# Allegro board IMX7D EVK BOARD REV D_160314.brd (continued)
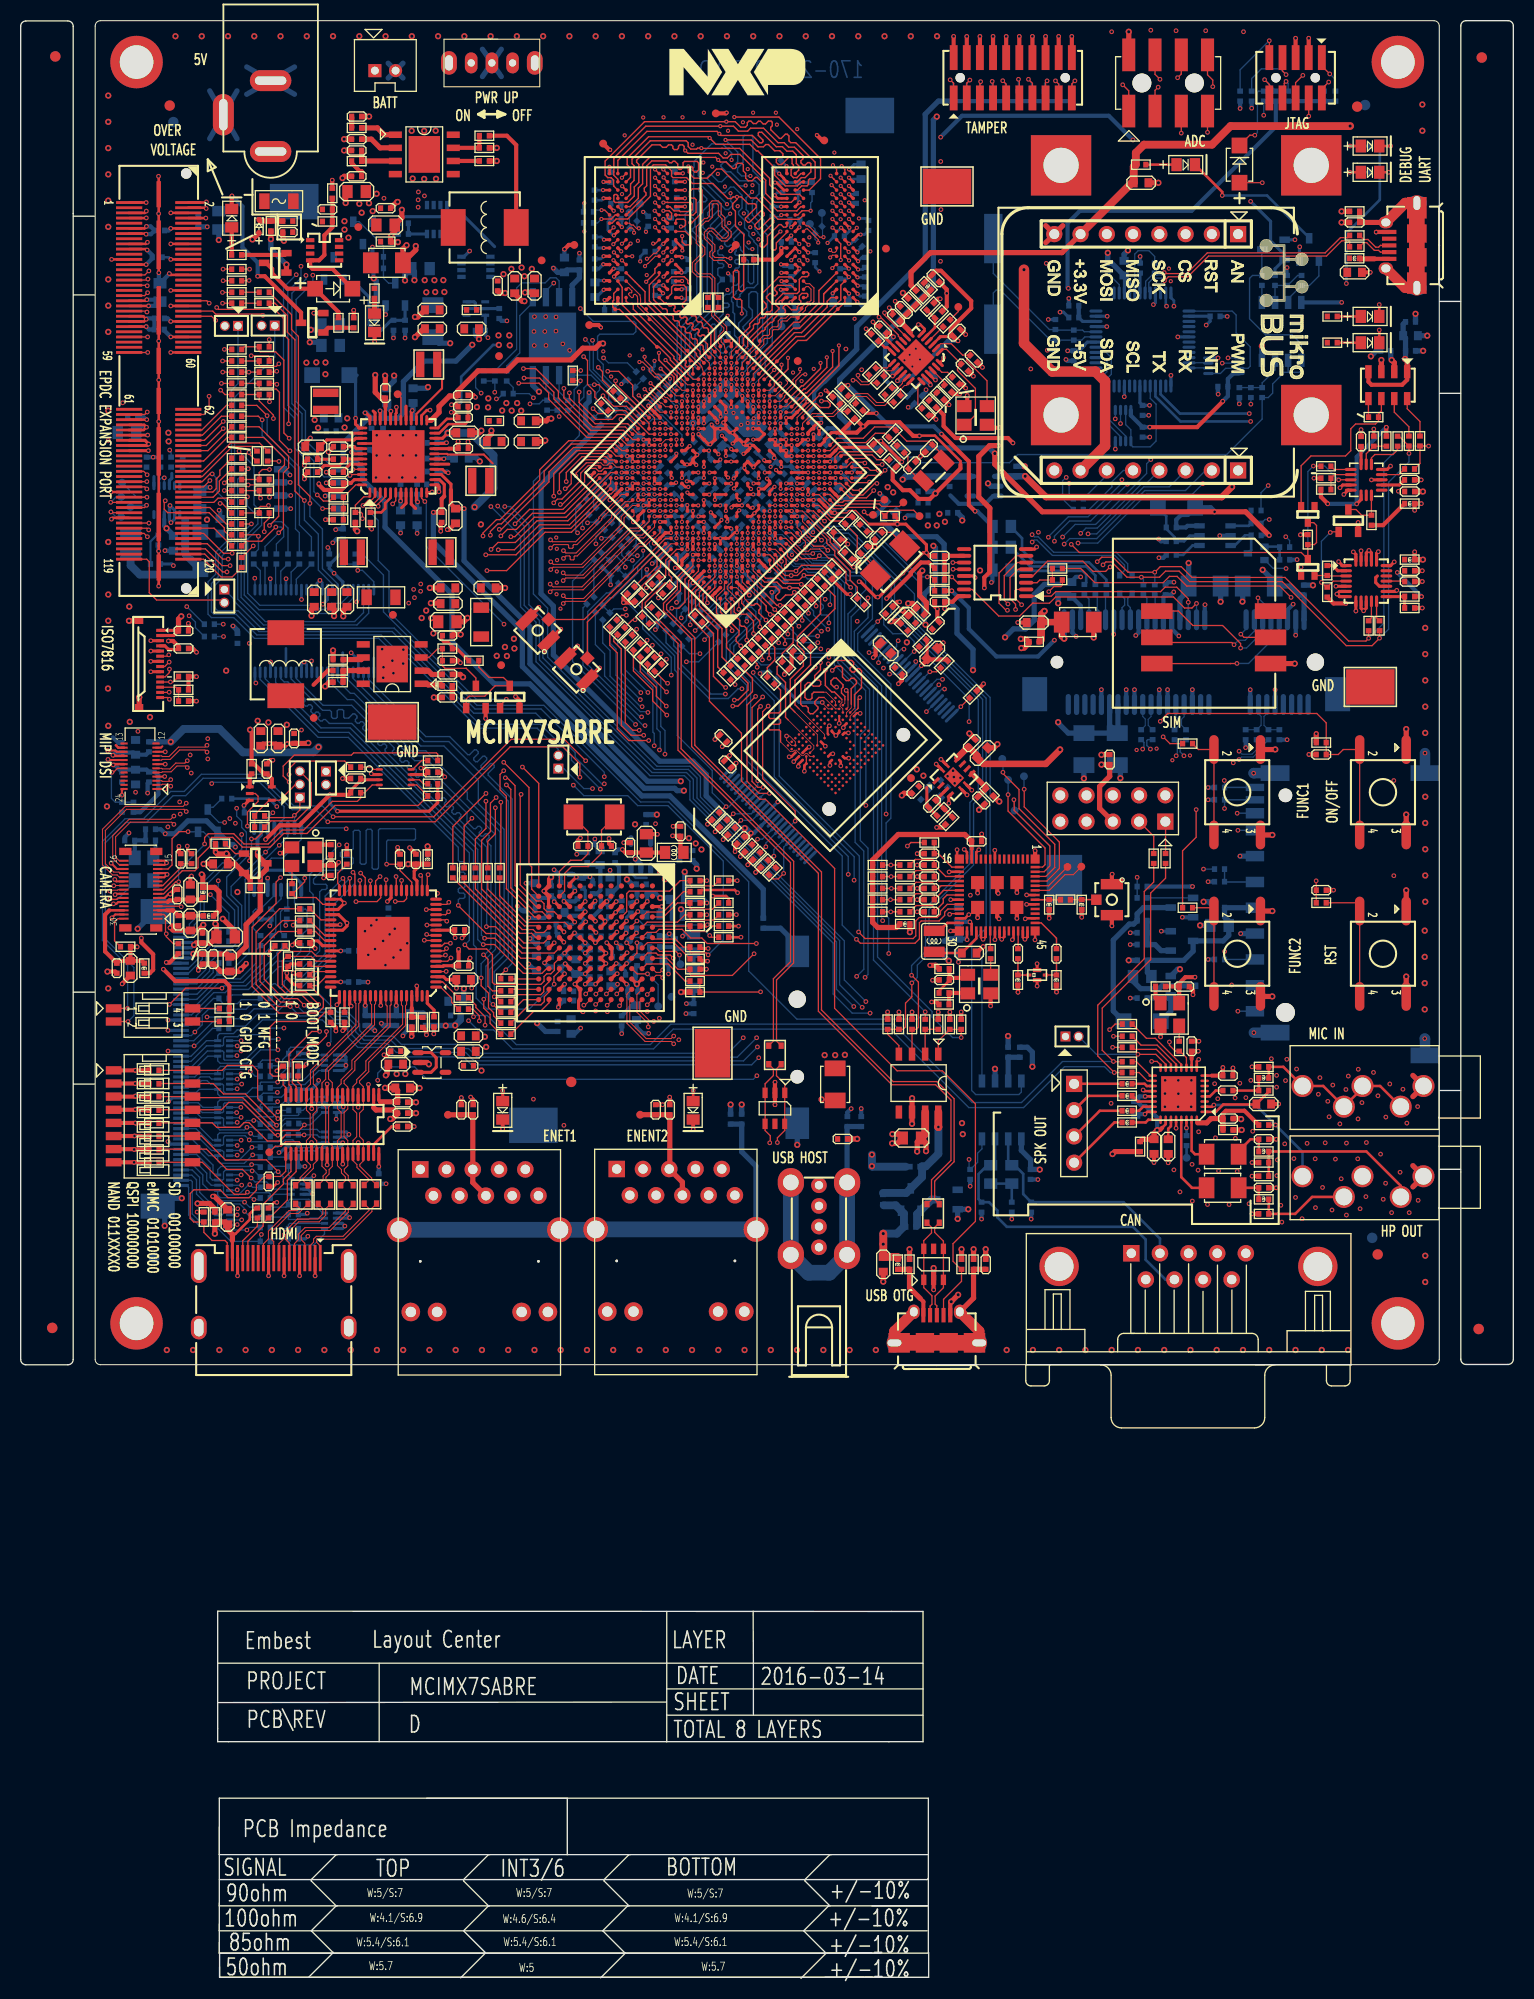
[diagram p0: board, top side]
## Routing (per net, layer and track width the routed paths; a pad name or vN(x,y) marks a point on that pad's centre or on a via; arc(x,y) is an arc through that point) (continued)
GPIO_EPDC_D13: length 45.5
  TOP w0.102: v3(61.85,148.31) 62.38,148.83 U7.L21
  TOP w0.127: v1(23.96,142.46) 23.96,142.44 23.9,142.37 23.19,142.37 23.07,142.25 R429.1 R433.1
  L6_INT_2 w0.102: 57,149.14 59.77,149.14 59.84,149.21 60.41,149.21 61.18,148.44 61.72,148.44 v3(61.85,148.31)
  L6_INT_2 w0.127: 57,149.14 55.29,149.14 53.8,147.65 51.43,147.65 51.22,147.44 39.85,147.44 39.22,146.81 33.11,146.81 32.72,146.41 29.49,146.41 26.99,143.91 25.41,143.91 v1(23.96,142.46)
GPIO_EPDC_D14: length 50.8
  TOP w0.102: v3(63.43,148.84) 63.43,148.84 U7.L20
  TOP w0.127: R435.1 R431.1 23.07,143.31 v1(23.2,143.17)
  L6_INT_2 w0.102: 58.63,151.56 59.32,150.86 61.94,150.86 63.43,149.37 v3(63.43,148.84)
  L6_INT_2 w0.127: v1(23.2,143.17) 23.2,146.53 24.37,147.69 24.37,148.15 25.69,149.47 28.46,149.47 28.65,149.29 32.09,149.29 33.49,150.69 47.08,150.69 47.43,150.34 52.67,150.34 53.45,151.12 56.45,151.12 56.88,151.56 58.63,151.56
GPIO_EPDC_D15: length 44.4
  TOP w0.127: U7.K25 60.22,150.42 58.59,152.06 57.34,152.06 v1(56.32,153.08) ; R434.1 R430.1 23.07,152.58 24.45,151.2 v1(24.45,150.87)
  L6_INT_2 w0.127: v1(56.32,153.08) 56.15,152.9 52.61,152.9 50.89,154.63 49.65,154.63 48.88,153.86 40.35,153.86 39.72,154.5 33.52,154.5 31.81,152.79 26.92,152.79 25.01,150.87 v1(24.45,150.87)
GPIO_EPDC_GDCLK: length 77.1
  TOP w0.127: v1(21.12,147.72) 21.38,147.46 R408.1 ; v1(54.01,153.43) 54.01,152.42 55.64,150.79 57.22,150.79 57.69,151.26 58.41,151.26 59.72,149.96 U7.J25
  L6_INT_2 w0.127: v1(54.01,153.43) 54.01,153.79 51.19,156.61 41.07,156.61 39.87,157.81 32.68,157.81 31.89,157.02 27.57,157.02 25.15,154.6 24.1,154.6 21.38,151.88 21.38,148.66 21.12,148.4 v1(21.12,147.72)
  BOTTOM w0.127: U36.43 31.66,133.67 30.98,133 30.06,133 29.47,132.4 28.98,132.4 28.57,132.81 23.13,132.81 21.96,133.98 21.96,139.21 23.3,140.55 23.3,141.8 22.57,142.54 22.57,146.27 v1(21.12,147.72)
GPIO_EPDC_GDOE: length 77.5
  TOP w0.127: v1(53.07,153.36) 53.07,152.85 55.55,150.37 58.71,150.37 59.72,149.36 U7.J24 ; R409.1 21.88,143.3 v1(21.93,143.3)
  L6_INT_2 w0.127: v1(21.93,143.3) 21.58,143.66 21.58,148.13 21.83,148.38 21.83,151.72 23.67,153.56 24.94,153.56 27.1,155.72 31.13,155.72 32.82,157.41 39.72,157.41 40.92,156.21 51.02,156.21 53.07,154.15 v1(53.07,153.36)
  BOTTOM w0.127: U36.44 32.16,133.52 31.13,132.49 30.19,132.49 29.72,132.01 28.74,132.01 28.38,132.38 23.05,132.38 21.63,133.8 21.63,139.36 22.94,140.68 22.94,141.4 21.93,142.41 v1(21.93,143.3)
GPIO_EPDC_GDRL: length 72.8
  TOP w0.102: U7.K21 62.37,147.85 v3(62.35,147.83)
  TOP w0.127: R411.1 22.31,140.67 v1(22.31,140.68)
  L6_INT_2 w0.102: 57,148.79 59.77,148.79 60.66,147.9 60.9,147.9 61.14,148.13 61.51,148.13 61.81,147.83 v3(62.35,147.83)
  L6_INT_2 w0.127: v1(22.31,140.68) 22.86,140.68 23.38,141.2 23.38,141.38 23.17,141.59 23.17,141.77 23.35,141.95 23.53,141.95 23.74,141.74 23.92,141.74 24.95,142.77 26.38,142.77 28.79,145.18 29.83,145.18 30.11,144.9 30.45,144.9 30.57,145.03 30.57,145.81 30.7,145.94 30.96,145.94 31.08,145.81 31.08,145.03 31.21,144.9 32.01,144.9 33.54,146.44 42.21,146.44 42.49,146.16 42.95,146.16 43.07,146.29 43.07,146.88 43.2,147.01 43.45,147.01 43.58,146.88 43.58,146.29 43.71,146.16 44.73,146.16 45.6,147.03 51.42,147.03 51.69,147.3 54.02,147.3 55.5,148.79 57,148.79
  BOTTOM w0.127: U36.46 33.16,132.1 32.29,131.24 23.66,131.24 21.32,133.57 21.32,139.69 v1(22.31,140.68)
GPIO_EPDC_GDSP: length 77.9
  TOP w0.127: v1(52.54,153.79) 52.54,152.88 55.35,150.06 58.48,150.06 U7.H25 ; v1(22.01,146.02) 21.38,146.02 R410.1
  L6_INT_2 w0.127: v1(22.01,146.02) 22.01,146.81 22.85,147.64 22.85,151.44 23.44,152.04 24.47,152.04 26.52,154.09 30.79,154.09 33.27,156.56 39.46,156.56 40.78,155.23 51.09,155.23 v1(52.54,153.79)
  BOTTOM w0.127: v1(22.01,146.02) 20.99,145 20.99,133.39 23.48,130.9 32.52,130.9 33.66,132.04 U36.47
GPIO_EPDC_PMIC_PG: length 41.2
  TOP w0.102: v3(62.91,148.3) 62.9,148.29 U7.K20
  TOP w0.127: R583.1 24.95,146.76 v1(24.98,146.73)
  L6_INT_2 w0.102: v3(62.91,148.3) 62.38,148.83 61.84,148.83 61.42,149.24 60.93,149.24 60.71,149.47 57.28,149.47
  L6_INT_2 w0.127: v1(24.98,146.73) 25.07,146.82 32.49,146.82 33.42,147.75 51.04,147.75 51.38,148.08 53.64,148.08 55.03,149.47 57.28,149.47
GPIO_EPDC_PWRCTRL0: length 48.7
  TOP w0.127: v1(48.63,155.7) 49.81,155.7 52.01,153.51 52.01,152.88 55.15,149.74 58.29,149.74 59.2,148.83 U7.H24 ; v1(22.08,147.59) 22.08,147.47 22.79,146.76 R582.1
  L6_INT_2 w0.127: v1(22.08,147.59) 22.36,147.87 22.36,151.68 23.86,153.18 25.11,153.18 26.42,154.49 30.57,154.49 33.08,157 39.6,157 40.89,155.7 v1(48.63,155.7)
GPIO_EPDC_SDCE0: length 57.8
  TOP w0.127: v1(48.69,154.79) 50.2,154.79 51.57,153.41 51.57,152.77 54.96,149.39 58.1,149.39 U7.G25 ; R404.1 22.98,151.1 23.34,150.74 v1(23.35,150.74)
  L6_INT_2 w0.127: v1(48.69,154.79) 40.62,154.79 39.33,156.07 33.46,156.07 31.03,153.64 26.63,153.64 24.67,151.68 23.69,151.68 23.35,151.35 v1(23.35,150.74)
  BOTTOM w0.127: v1(23.35,150.74) 23.35,149.22 26.58,145.99 26.58,140.2 26.95,139.83 R345.1
GPIO_EPDC_SDCE1: length 58.6
  TOP w0.127: U7.G24 58.66,148.3 57.91,149.05 54.76,149.05 51.07,152.75 51.07,153.36 50.13,154.29 v1(48.17,154.29) ; v1(23.84,151.15) 22.84,152.15 R405.1
  L6_INT_2 w0.127: v1(48.17,154.29) 40.56,154.29 39.21,155.65 33.85,155.65 31.45,153.24 26.79,153.24 24.88,151.33 24.01,151.33 v1(23.84,151.15)
  BOTTOM w0.127: v1(23.84,151.15) 23.84,149.29 26.96,146.17 26.96,140.58 28.12,139.42 R346.1
GPIO_EPDC_SDCE2: length 74.7
  TOP w0.102: U7.H23 v3(59.72,148.3)
  TOP w0.127: R407.1 24.59,162.03 25.79,160.83 25.79,159.23 26.53,158.49 26.53,143.86 v1(27.44,142.94)
  L6_INT_2 w0.102: 57.54,148.45 59.57,148.45 v3(59.72,148.3)
  L6_INT_2 w0.127: 57.54,148.45 55.69,148.45 54.17,146.93 51.92,146.93 50.69,145.69 50.4,145.69 50.27,145.81 50.27,146.45 50.14,146.58 49.89,146.58 49.76,146.45 49.76,145.81 49.64,145.69 49.38,145.69 49.25,145.81 49.25,146.45 49.13,146.58 48.87,146.58 48.75,146.45 48.75,145.81 48.62,145.69 48.37,145.69 48.24,145.81 48.24,146.45 48.11,146.58 47.86,146.58 47.73,146.45 47.73,145.81 47.6,145.69 47.35,145.69 47.22,145.81 47.22,146.45 47.1,146.58 46.84,146.58 46.71,146.45 46.71,145.81 46.59,145.69 46.33,145.69 46.21,145.81 46.21,146.45 46.08,146.58 45.83,146.58 45.7,146.45 45.7,145.81 45.57,145.69 42.2,145.69 41.84,146.05 33.66,146.05 31.7,144.09 30.96,144.09 30.84,143.96 30.84,143.43 30.71,143.3 30.46,143.3 30.33,143.43 30.33,143.96 30.2,144.09 28.59,144.09 v1(27.44,142.94)
  BOTTOM w0.127: U36.40 30.16,134.84 28.79,136.21 28.79,139.69 27.44,141.04 v1(27.44,142.94)
GPIO_EPDC_SDCE3: length 70.2
  TOP w0.102: U7.H22 v3(60.25,147.77)
  TOP w0.127: R406.1 26.2,160.92 26.2,159.48 26.86,158.82 26.86,144.47 27.98,143.35 v1(27.98,142.67)
  L6_INT_2 w0.102: 59.07,148.14 59.37,148.14 59.62,147.89 60.13,147.89 v3(60.25,147.77)
  L6_INT_2 w0.127: v1(27.98,142.67) 30.78,142.67 33.79,145.67 38.51,145.67 38.64,145.55 38.64,145.18 38.77,145.05 39.02,145.05 39.15,145.18 39.15,145.55 39.28,145.67 39.53,145.67 39.66,145.55 39.66,145.18 39.78,145.05 40.04,145.05 40.16,145.18 40.16,145.55 40.29,145.67 40.49,145.67 41.01,145.15 50.79,145.15 52.15,146.5 54.63,146.5 54.87,146.74 55.05,146.74 55.18,146.6 55.36,146.6 55.54,146.78 55.54,146.96 55.4,147.1 55.4,147.28 55.58,147.46 55.76,147.46 55.9,147.32 56.08,147.32 56.26,147.5 56.26,147.68 56.12,147.82 56.12,148 56.27,148.14 59.07,148.14
  BOTTOM w0.127: v1(27.98,142.67) 27.98,141.4 29.19,140.18 29.19,136.35 30.66,134.88 U36.41
GPIO_EPDC_SDCLK: length 55.3
  TOP w0.102: U7.J21 v3(61.31,147.77)
  TOP w0.127: v1(23,139.49) 22.86,139.63 R400.1
  L6_INT_2 w0.102: v3(61.31,147.77) 61.17,147.63 60.66,147.63 60.44,147.41 60.09,147.41 59.88,147.62 59.57,147.62 59.34,147.38 59.03,147.38 58.75,147.66 57.67,147.66
  L6_INT_2 w0.127: v1(23,139.49) 23,140.13 24.95,142.08 25.21,142.08 25.3,141.99 25.3,140.91 25.43,140.79 25.68,140.79 25.81,140.91 25.81,141.52 25.94,141.65 26.19,141.65 26.32,141.52 26.32,140.91 26.45,140.79 26.7,140.79 26.83,140.91 26.83,142.23 26.95,142.36 27.21,142.36 27.33,142.23 27.33,140.91 27.46,140.79 27.72,140.79 27.84,140.91 27.84,141.95 27.97,142.08 28.22,142.08 28.35,141.95 28.35,140.91 28.48,140.79 28.73,140.79 28.86,140.91 28.86,141.52 28.99,141.65 30.29,141.65 33.32,144.69 50.93,144.69 52.39,146.14 55.48,146.14 57,147.66 57.67,147.66
  BOTTOM w0.127: v1(23,139.49) 23,138.23 R461.1
GPIO_EPDC_SDLE: length 57.3
  TOP w0.102: U7.J20 v3(61.84,147.24)
  TOP w0.127: R401.1 23.06,150.08 25.92,147.21 25.92,146.12 25.41,145.61 25.41,140.28 v1(24.95,139.82)
  L6_INT_2 w0.102: 57.14,146.35 58.3,146.35 58.52,146.56 58.82,146.56 59.03,146.35 59.33,146.35 59.56,146.57 59.83,146.57 60.06,146.35 60.43,146.35 61.32,147.24 v3(61.84,147.24)
  L6_INT_2 w0.127: v1(24.95,139.82) 29.53,139.82 33.04,143.33 50.67,143.33 52.59,145.26 53.17,145.26 53.63,144.8 55.3,144.8 56.85,146.35 57.14,146.35
  BOTTOM w0.127: R460.1 23.63,138.49 v1(24.95,139.82)
GPIO_EPDC_SDOE: length 54.4
  TOP w0.102: U7.H21 60.78,147.24 v3(60.78,147.24)
  TOP w0.127: R403.1 21.82,139.01 23.3,139.01 v1(24.67,140.38)
  L6_INT_2 w0.102: 57.52,147.14 58.22,147.14 58.51,146.85 58.79,146.85 59.06,147.12 59.32,147.12 59.59,146.86 59.86,146.86 60.12,147.11 60.65,147.11 v3(60.78,147.24)
  L6_INT_2 w0.127: v1(24.67,140.38) 29.52,140.38 33.43,144.29 36.16,144.29 36.28,144.17 36.28,143.86 36.41,143.73 36.66,143.73 36.79,143.86 36.79,144.17 36.92,144.29 37.17,144.29 37.3,144.17 37.3,143.86 37.43,143.73 37.68,143.73 37.81,143.86 37.81,144.17 37.93,144.29 42.39,144.29 42.51,144.17 42.51,143.86 42.64,143.73 42.89,143.73 43.02,143.86 43.02,144.17 43.15,144.29 43.4,144.29 43.53,144.17 43.53,143.86 43.66,143.73 43.91,143.73 44.04,143.86 44.04,144.17 44.16,144.29 44.42,144.29 44.54,144.17 44.54,143.86 44.67,143.73 44.93,143.73 45.05,143.86 45.05,144.17 45.18,144.29 45.43,144.29 45.56,144.17 45.56,143.86 45.69,143.73 45.94,143.73 46.07,143.86 46.07,144.17 46.2,144.29 46.45,144.29 46.58,144.17 46.58,143.91 46.7,143.78 46.96,143.78 47.08,143.91 47.08,144.17 47.21,144.29 47.47,144.29 47.59,144.17 47.59,143.94 47.72,143.81 47.97,143.81 48.1,143.94 48.1,144.17 48.23,144.29 48.91,144.29 49.04,144.17 49.04,143.99 49.17,143.86 49.42,143.86 49.55,143.99 49.55,144.17 49.68,144.29 51.13,144.29 52.6,145.77 55.66,145.77 57.04,147.14 57.52,147.14
  BOTTOM w0.127: v1(24.67,140.38) 25.18,140.38 25.44,140.13 25.44,139.44 24.73,138.73 R463.1
GPIO_EPDC_SDSHR: length 60.1
  TOP w0.102: v3(61.31,146.71) 61.31,146.71 U7.H20
  TOP w0.127: v1(24.07,140.53) 24.95,141.42 24.95,145.81 25.51,146.37 25.51,147.03 23.5,149.05 R402.1
  L6_INT_2 w0.102: 57.47,146.03 58.26,146.03 58.5,145.79 58.82,145.79 59.06,146.03 59.34,146.03 59.65,145.72 59.8,145.72 60.12,146.03 60.4,146.03 60.62,145.81 60.96,145.81 61.31,146.17 v3(61.31,146.71)
  L6_INT_2 w0.127: 57.47,146.03 57.18,146.03 53.12,141.98 50.71,141.98 49.77,142.92 39.91,142.92 38.92,141.93 32.93,141.93 30.34,139.33 24.83,139.33 24.07,140.1 v1(24.07,140.53)
  BOTTOM w0.127: v1(24.07,140.53) 24.42,140.89 25.24,140.89 25.85,140.28 R462.1
GPIO_SAI1_RXD: length 76
  TOP w0.102: U7.E12 64.49,140.34 v3(64.49,140.34)
  TOP w0.127: R468.1 58.12,131.84 v1(58.58,131.84)
  L3_INT_1 w0.102: v3(64.49,140.34) 64.49,139.79 63.19,138.49
  L3_INT_1 w0.127: v1(56.45,116.22) 57.05,116.82 57.05,125.3 58.53,126.79 58.53,131.79 v1(58.58,131.84) 59.27,132.53 59.27,136.54 60.59,137.86 62.57,137.86 63.19,138.49
  BOTTOM w0.127: v1(58.58,131.84) 58.12,131.84 R468.1 ; J39.1 20.59,133.44 20.59,133.27 23.25,130.6 36.13,130.6 43.95,122.78 50.33,122.78 56.45,116.66 v1(56.45,116.22)
GPIO_SAI1_TXC: length 105.4
  TOP w0.102: U7.C11 v3(63.96,138.75)
  TOP w0.127: R469.1 59.18,131.41 v1(59.42,131.41)
  L3_INT_1 w0.102: v3(63.96,138.75) 62.79,137.59 60.72,137.59 60.66,137.52
  L3_INT_1 w0.127: v1(56.45,115.54) 57.36,116.45 57.36,125.19 58.89,126.71 58.89,130.88 v1(59.42,131.41) 59.57,131.57 59.57,136.44 60.66,137.52
  BOTTOM w0.127: J38.1 24.57,156.81 20.69,152.93 20.69,138.78 19.49,137.59 19.49,135.45 18.81,134.77 18.81,132.53 19.06,132.28 21.04,132.28 23.05,130.27 35.93,130.27 43.83,122.37 49.82,122.37 53.63,118.56 53.63,118.1 56.2,115.54 v1(56.45,115.54) ; R469.1 59.18,131.41 v1(59.42,131.41)
GPIO_SAI1_TXD: length 105.9
  TOP w0.102: U7.E11 65.02,140.35 v3(65.02,139.81)
  TOP w0.127: R471.1 59.16,130.08 v1(59.57,130.5)
  L3_INT_1 w0.102: 60.95,137.23 62.96,137.23 65.02,139.29 v3(65.02,139.81)
  L3_INT_1 w0.127: v1(56.07,115.03) 56.81,115.03 57.69,115.92 57.69,125.06 59.32,126.69 59.32,130.24 v1(59.57,130.5) 59.93,130.85 59.93,136.32 60.84,137.23 60.95,137.23
  BOTTOM w0.127: v1(56.07,115.03) 53.28,117.82 53.28,118.28 50.25,121.3 44.39,121.3 37.65,128.03 36.77,128.03 34.86,129.94 22.85,129.94 20.84,131.95 18.68,131.95 18.45,132.17 18.45,134.92 19.11,135.58 19.11,137.69 20.38,138.96 20.38,153.61 21.02,154.25 J36.1 ; R475.1 59.57,130.34 v1(59.57,130.5)
GPIO_SAI1_TXFS: length 38.5
  TOP w0.102: v3(64.49,139.28) 64.49,139.28 U7.D11
  L3_INT_1 w0.127: v1(55.31,115.08) 55.94,115.72 55.94,120.24 56.68,120.97 56.68,125.47 58.15,126.94 58.15,132.12 v1(58.48,132.45)
  BOTTOM w0.102: 60.82,138.6 60.82,138.96 61.1,139.24 61.75,139.24 61.95,139.44 63.08,139.44 63.31,139.67 63.59,139.67 63.97,139.28 v3(64.49,139.28)
  BOTTOM w0.127: v1(55.31,115.08) 54.47,115.08 52.54,117.01 J37.1 ; v1(58.48,132.45) 57.36,132.45 R342.1 56.27,132.79 R470.1 56.98,133.54 57.28,133.54 59.67,135.93 59.67,136.57 60.97,137.86 60.97,138.45 60.82,138.6
GPIO_SAI2_RXD: length 14
  TOP w0.102: U7.E9 v3(66.08,138.75)
  TOP w0.127: v1(60.59,129.43) 60.3,129.14 R415.1
  L3_INT_1 w0.102: v3(66.08,138.75) 65.55,138.75 63.96,137.16 63.96,136.43 62.85,135.33
  L3_INT_1 w0.127: 62.85,135.33 60.9,133.37 60.9,129.74 v1(60.59,129.43)
  BOTTOM w0.127: v1(60.59,129.43) 60.3,129.14 R419.1
GPIO_SAI2_TXC: length 13.3
  TOP w0.102: U7.D8 v3(66.08,137.69)
  TOP w0.127: v1(61.94,128.11) 61.61,127.79 R413.1
  L3_INT_1 w0.102: 64.87,135.97 65.95,137.04 65.95,137.56 v3(66.08,137.69)
  L3_INT_1 w0.127: 64.87,135.97 64.2,135.29 64.2,133.07 62.96,131.83 62.96,129.14 v1(61.94,128.11)
  BOTTOM w0.127: v1(61.94,128.11) 61.61,127.79 R413.1
GPIO_SAI2_TXD: length 13.6
  TOP w0.102: U7.E8 v3(66.61,138.22)
  TOP w0.127: R488.1 62,127.11 62.46,127.58 v1(62.46,127.59)
  L3_INT_1 w0.102: 65.52,134.21 65.52,136.14 66.23,136.85 66.23,137.31 66.61,137.69 v3(66.61,138.22)
  L3_INT_1 w0.127: 65.52,134.21 65.52,133.88 63.36,131.72 63.36,128.48 62.47,127.59 v1(62.46,127.59)
GPIO_SAI2_TXFS: length 13
  TOP w0.102: U7.D9 v3(65.55,138.22)
  TOP w0.127: v1(61.1,128.95) 60.63,128.48 R412.1
  L3_INT_1 w0.102: v3(65.55,138.22) 65.55,137.7 64.39,136.54 64.39,136.25 63.33,135.2
  L3_INT_1 w0.127: v1(61.1,128.95) 61.87,129.72 61.87,133.01 62.27,133.41 62.27,134.13 63.33,135.2
  BOTTOM w0.127: R416.1 61.07,128.95 v1(61.1,128.95)
GPIO_SD3_CLK: length 5.6
  TOP w0.102: 69.74,133.5 69.26,133.98 U7.C1
  TOP w0.127: 69.74,133.5 69.74,133.01
  TOP w0.137: 69.74,133.01 71.49,131.26 v1(71.49,130.73) 71.49,130.72 R444.1
  BOTTOM w0.137: v1(71.49,130.73) 71.49,130.72 R456.1
GPIO_SD3_CMD: length 5.8
  TOP w0.102: U7.E1 70.32,135.01 71.76,133.58
  TOP w0.137: R445.1 73.19,132.14 v1(72.94,132.4) 71.76,133.58
  BOTTOM w0.137: R457.1 73.19,132.15 v1(72.94,132.4)
GPIO_SD3_DATA0: length 7.2
  TOP w0.102: U7.B2 68.2,133.45 68.7,132.95
  TOP w0.127: 70.23,129.44 v1(70.23,129.44) ; 68.7,132.95 68.7,131.73
  TOP w0.137: v1(70.23,129.44) 70.23,130.54 69.99,130.78 69.71,130.78 69.56,130.93 69.56,131.36 69.35,131.57 68.87,131.57 68.7,131.73 ; 70.23,129.44 70.29,129.38 70.29,129.37 R436.1
  BOTTOM w0.137: v1(70.23,129.44) 70.23,129.44 70.69,128.97 R448.1
GPIO_SD3_DATA1: length 7.1
  TOP w0.102: U7.A2 67.67,132.16
  TOP w0.137: 67.67,132.16 69.48,130.35 69.48,129.97 69.2,129.69 69.2,129.34 v1(69.65,128.88) 69.65,128.88 69.65,128.71 R437.1
  BOTTOM w0.137: v1(69.65,128.88) 69.65,128.88 69.65,128.71 R449.1
GPIO_SD3_DATA2: length 7.9
  TOP w0.102: U7.G2 70.85,136.14 71.67,135.33
  TOP w0.127: 71.67,135.33 71.95,135.05 73.14,135.05
  TOP w0.137: 73.14,135.05 73.7,134.49 v1(74.36,134.49) 75.19,134.49 75.6,134.09 R439.1
  BOTTOM w0.137: R451.1 75.6,134.09 75.19,134.49 v1(74.36,134.49)
GPIO_SD3_DATA3: length 7.7
  TOP w0.102: U7.F1 71.49,134.94
  TOP w0.127: 71.49,134.94 71.81,134.61
  TOP w0.137: R438.1 75.19,133.71 v1(74.83,134.06) 74.57,133.8 73.98,133.8 73.49,133.31 73.25,133.31 73.03,133.53 73.03,133.72 73.39,134.08 73.39,134.24 73.02,134.61 71.81,134.61
  BOTTOM w0.137: R438.1 74.83,133.82 v1(74.83,134.06)
GPIO_SD3_DATA4: length 6.9
  TOP w0.102: 72.06,133.88 70.32,135.62 U7.F2
  TOP w0.137: 72.06,133.88 73.14,132.8 v1(73.45,132.8) 73.45,132.81 R440.1
  BOTTOM w0.137: R440.1 73.45,132.81 v1(73.45,132.8)
GPIO_SD3_DATA5: length 6.6
  TOP w0.102: U7.E2 69.79,135.07 71.12,133.74
  TOP w0.127: 71.39,133.46 71.12,133.73 71.12,133.74
  TOP w0.137: R441.1 72.81,131.92 v1(72.5,131.92) 72.11,132.31 72.11,132.74 71.39,133.46
  BOTTOM w0.137: R453.1 72.81,131.92 v1(72.5,131.92)
GPIO_SD3_DATA6: length 7
  TOP w0.102: 70.27,133.19 70.01,133.45 70.01,133.75 69.25,134.51 U7.C2
  TOP w0.127: 72.09,131.38 v1(72.09,131.38) 72.08,131.38
  TOP w0.137: 70.27,133.19 70.65,132.81 70.9,132.81 71.06,132.96 71.26,132.96 71.54,132.68 71.54,132.48 71.4,132.34 71.4,132.07 72.08,131.38 ; R443.1 72.09,131.38
  BOTTOM w0.137: R455.1 72.09,131.38 v1(72.09,131.38)
GPIO_SD3_DATA7: length 6.2
  TOP w0.102: U7.B1 69.01,133.17
  TOP w0.127: 70.22,131.95 69.23,131.95 69.01,132.16 69.01,133.17
  TOP w0.137: R442.1 v1(70.87,130.07) 70.87,131.29 70.22,131.95
  BOTTOM w0.137: R454.1 70.88,130.07 v1(70.87,130.07)
GPIO_SD3_RESET_B: length 6.6
  TOP w0.102: 71.88,135.61 U7.G1
  TOP w0.127: 73.3,135.42 72.06,135.42 71.88,135.61
  TOP w0.137: R446.1 75.61,134.73 v1(75.51,134.84) 75.41,134.93 73.79,134.93 73.3,135.42
  BOTTOM w0.137: v1(75.51,134.84) 75.61,134.73 R458.1
GPIO_SD3_STROBE: length 7.5
  TOP w0.127: 72.44,136.73 U7.J1
  TOP w0.137: R447.1 76.73,135.71 v1(75.76,135.71) 75.31,135.26 73.91,135.26 72.44,136.73
  BOTTOM w0.137: v1(75.76,135.71) 76.1,135.36 R459.1
GTXCLK_P0: length 43.6
  TOP w0.127: U31.M1 50.1,115.58 v1(48.53,117.16)
  L6_INT_2 w0.127: v1(56.17,139.29) 56.96,139.29 57.1,139.43 57.1,139.88 57.21,140 57.62,140 57.75,139.87 57.75,138.78 57.64,138.68 56.7,138.68 56.49,138.46 56.49,138.28 56.79,137.98 56.79,137.8 56.61,137.62 56.43,137.62 56.13,137.92 55.95,137.92 55.71,137.69 55.71,128.53 48.53,121.34 v1(48.53,117.16)
  BOTTOM w0.127: R527.2 56.26,139.38 v1(56.17,139.29)
GWDOG_RST_B: length 55.1
  TOP w0.102: U7.N1 74.57,139.1 75.63,138.04 76.19,138.04 76.39,138.25 77.27,138.25 77.66,137.85
  TOP w0.127: v1(80.28,134.54) 79.82,134.99 79.82,136.09 78.58,137.33 78.18,137.33 77.66,137.85
  L3_INT_1 w0.127: v1(80.28,134.54) 86.39,134.54 87.2,133.72 91.29,133.72 93.58,136.01 105.9,136.01 110.01,140.12 121.68,140.12 v1(122.36,139.44)
  BOTTOM w0.127: v1(122.36,139.44) 122.73,139.07 C382.1
GY_INT_B: length 3.1
  TOP w0.127: D14.2 125.16,135.69 R301.1 126.41,135.65 U20.3
GYR_I2C_SCL: length 2
  TOP w0.127: U20.11 130.64,131.58 R499.2
GYR_I2C_SDA: length 2
  TOP w0.127: U20.12 131.14,131.6 R500.2
GYRO_3V3: length 14.1
  TOP w0.305: 131.22,135.65 131.06,135.49 131.06,135.01 131.42,134.65 U20.15
  TOP w0.406: R175.1 126.98,132.99 v1(128.18,132.99) ; R331.2 135.47,133.66 v1(135.49,133.64)
  L3_INT_1 w0.406: v1(128.18,132.99) 128.19,132.98 130.15,132.98 v1(133.15,135.98)
  BOTTOM w0.406: v1(133.15,135.98) v1(135.49,133.64)
HDMI_5V: length 12.7
  TOP w0.254: R145.1 24.51,75.05 v1(24.78,75.05) ; R144.1 22.7,74.5 22.16,73.96 22.16,73.4 20.76,72 20.52,72 20.48,71.96
  TOP w0.305: 20.48,71.37 J9.18 ; U15.38 v1(34.64,78.52)
  TOP w0.508: 20.48,71.37 20.48,71.96 20.02,72.41 C226.1 19.8,73.16 R147.1 18.78,72.11 18.78,72.1 v2(18.78,72.03)
  BOTTOM w0.406: C229.2 34.63,78.51 v1(34.64,78.52)
HDMI_AVCC12: length 9.8
  TOP w0.305: U13.66 v1(36.33,94.1) ; U13.60 v1(33.33,94.1)
  BOTTOM w0.508: C223.1 C222.1 33.33,94.09 v1(33.33,94.1) ; C223.1 37.42,93.13 C224.1 38.94,93.35 L13.1 ; C223.1 36.34,94.09 v1(36.33,94.1)
HDMI_BYP: length 4
  TOP w0.254: U15.37 34.14,80.65 35.88,82.39 C230.2
HDMI_CEC_D_R: length 2.1
  TOP w0.127: R132.2 28.19,97.88 U13.50
HDMI_CLKM: length 21.4
  TOP w0.104: U13.58 32.33,94.39 32.42,94.29 32.42,92.22 28.03,87.83 28.03,86.48 27.64,86.09 U15.15 27.64,83.97 28,83.61 28,81.4 27.64,81.04 U15.24 27.64,79.07 28.03,78.68 28.03,78.45 27.04,77.46 27.04,77.16 L62.2
HDMI_CLKM_X: length 7.3
  TOP w0.104: L62.3 26.94,74.57 26.94,74.45 26.74,74.26 25.96,74.26 23.96,72.27 23.96,71.52 23.48,71.03 J9.12
HDMI_CLKP: length 21.4
  TOP w0.104: L62.1 27.32,77.19 27.32,77.35 28.31,78.34 28.31,78.73 28.64,79.07 U15.26 28.64,81.02 28.28,81.37 28.28,83.58 28.64,83.94 U15.13 28.64,86.17 28.31,86.51 28.31,87.71 32.7,92.11 32.7,94.28 32.83,94.4 U13.59
HDMI_CLKP_X: length 7.3
  TOP w0.104: L62.4 26.86,73.98 26.07,73.98 24.24,72.15 24.24,71.49 24.48,71.26 J9.10
HDMI_CVCC12: length 12.1
  TOP w0.305: U13.47 v1(30.96,99.38) ; v1(35.47,104.16) 35.83,104.51 U13.26 ; U13.5 40.84,97.88 40.91,97.94 41.79,97.94 ; U13.53 v1(30.96,96.38) ; v1(30.9,101.92) 30.9,101.91 30.87,101.88 U13.42 ; U13.12 41.96,101.38 C213.1 41.98,100.69 v1(42.02,100.65)
  TOP w0.406: v1(42.35,99.54) 42.35,99.33 42.36,99.32 C209.1 41.79,97.94
  BOTTOM w0.305: v1(30.96,96.38) 30.97,96.37 C211.1 ; C210.1 30.96,99.39 v1(30.96,99.38)
HDMI_D0M: length 21.2
  TOP w0.104: L61.2 29.25,77.19 29.25,77.6 29.55,77.91 29.55,78.15 29.14,78.56 U15.27 29.14,80.48 29.5,80.84 29.5,84.25 29.14,84.61 U15.12 29.14,86.6 29.5,86.96 29.5,87.9 33.95,92.35 33.95,94.18 33.83,94.3 U13.61
HDMI_D0M_X: length 8.4
  TOP w0.104: J9.9 24.98,71.06 25.36,71.44 25.36,72.04 26.77,73.45 28.75,73.45 29.22,73.92 29.22,74.47 L61.3
HDMI_D0P: length 21.1
  TOP w0.104: U13.62 34.33,94.28 34.23,94.18 34.23,92.23 29.78,87.79 29.78,86.99 30.14,86.63 U15.10 30.14,84.63 29.78,84.27 29.78,80.87 30.14,80.51 U15.29 30.14,78.53 29.83,78.23 29.83,77.79 29.53,77.49 29.53,77.16 L61.1
HDMI_D0P_X: length 8.3
  TOP w0.104: J9.7 25.98,71.13 25.64,71.47 25.64,71.93 26.88,73.17 28.87,73.17 29.5,73.81 29.5,74.44 L61.4
HDMI_D1M: length 21.2
  TOP w0.104: L60.2 31.41,77.16 31.41,77.53 31.02,77.91 31.02,78.23 30.64,78.61 U15.30 30.64,81.02 31,81.38 31,83.76 30.64,84.12 U15.9 30.64,86.17 31,86.53 31,86.93 32.04,87.97 32.04,88.79 35.44,92.2 35.44,94.04 35.33,94.16 U13.64
HDMI_D1M_X: length 8.8
  TOP w0.104: J9.6 26.48,71.06 26.86,71.44 26.86,71.98 27.49,72.61 29.82,72.61 31.41,74.2 31.41,74.47 L60.3
HDMI_D1P: length 21.1
  TOP w0.104: L60.1 31.69,77.19 31.69,77.64 31.3,78.02 31.3,78.28 31.64,78.61 U15.32 31.64,81.04 31.28,81.4 31.28,83.74 31.64,84.1 U15.7 31.64,86.2 31.28,86.56 31.28,86.81 32.32,87.85 32.32,88.68 35.72,92.08 35.72,94.07 35.83,94.17 U13.65
HDMI_D1P_X: length 8.8
  TOP w0.104: L60.4 31.69,74.44 31.69,74.09 29.93,72.33 27.61,72.33 27.14,71.86 27.14,71.44 27.48,71.11 J9.4
HDMI_D2M: length 21.4
  TOP w0.104: L59.2 33.67,77.19 33.67,77.3 32.52,78.44 32.52,78.71 32.14,79.09 U15.33 32.14,81.04 32.5,81.4 32.5,83.69 32.14,84.04 U15.6 32.14,86.27 32.5,86.63 32.5,86.93 33.39,87.82 33.39,88.73 36.94,92.29 36.94,94.05 36.83,94.16 U13.67
HDMI_D2M_X: length 9.4
  TOP w0.104: J9.3 27.98,70.86 28.33,71.21 28.33,71.52 28.59,71.77 31.18,71.77 33.69,74.29 33.69,74.47 L59.3
HDMI_D2P: length 21.4
  TOP w0.104: U13.68 37.33,94.19 37.22,94.08 37.22,92.17 33.67,88.61 33.67,87.7 32.78,86.81 32.78,86.61 33.14,86.24 U15.4 33.14,84.05 32.78,83.69 32.78,81.43 33.14,81.06 U15.35 33.14,79.07 32.8,78.73 32.8,78.56 33.95,77.41 33.95,77.21 L59.1
HDMI_D2P_X: length 9.3
  TOP w0.104: J9.1 28.98,70.85 28.61,71.21 28.61,71.4 28.7,71.49 31.29,71.49 33.97,74.17 33.97,74.49 L59.4
HDMI_DE: length 23.8
  TOP w0.127: U13.33 32.33,106.8 v1(32.14,106.98)
  BOTTOM w0.127: v1(32.14,106.98) 32.32,106.8 32.32,105.91 30.26,103.85 30.26,98.93 24.6,93.26 22.9,93.26 21.73,92.09 20.33,92.09 20.13,91.89
HDMI_EXTSWING: length 1.6
  TOP w0.254: U13.56 31.33,93.44 R133.1
HDMI_HPD_CON: length 21.8
  TOP w0.127: U15.20 25.64,78.07 25.13,77.56 C365.2 23.58,77.56 22.8,76.78 22.8,76.22 22.08,75.51 20.05,75.51 19.29,76.27 16.75,76.27 16.39,75.91 16.39,73.5 16.74,73.16 R146.1 17.72,72.15 18.5,71.37 19.76,71.37 19.98,71.15 J9.19
HDMI_HPLG: length 16.7
  TOP w0.127: U15.19 25.64,86.18 25.39,86.43 R142.2 24.4,87.27 24.12,87.55 24.12,92.02 24.65,92.55 28.54,92.55 29.42,93.44 R135.1 29.98,93.48 U13.54
HDMI_HSYNC: length 21.7
  TOP w0.127: U13.34 31.83,106.4 v1(31.83,106.4)
  BOTTOM w0.127: 20.13,92.82 21.62,92.82 22.57,93.77 24.6,93.77 29.83,99 29.83,104.4 v1(31.83,106.4)
HDMI_I2C_SCL: length 3.3
  TOP w0.127: R514.2 41.68,94.42 41.68,94.82 40.61,95.88 U13.1
HDMI_I2C_SDA: length 2.8
  TOP w0.127: U13.2 40.81,96.38 R507.2
HDMI_I2CSCL: length 22.8
  TOP w0.127: v1(29.58,91.59) 29.58,91.15 28.76,90.34 27.8,90.34 26.28,88.82 26.28,86.63 26.64,86.27 U15.17 ; v1(28.82,94.2) 27.6,95.42 26.02,95.42 25.31,96.13 25.31,98.42 25.74,98.85 R580.2 28.1,98.85 28.57,98.38 U13.49
  L6_INT_2 w0.127: v1(28.82,94.2) 29.4,93.62 29.4,91.76 v1(29.58,91.59)